# KiCad board PC110.kicad_pcb (continued)
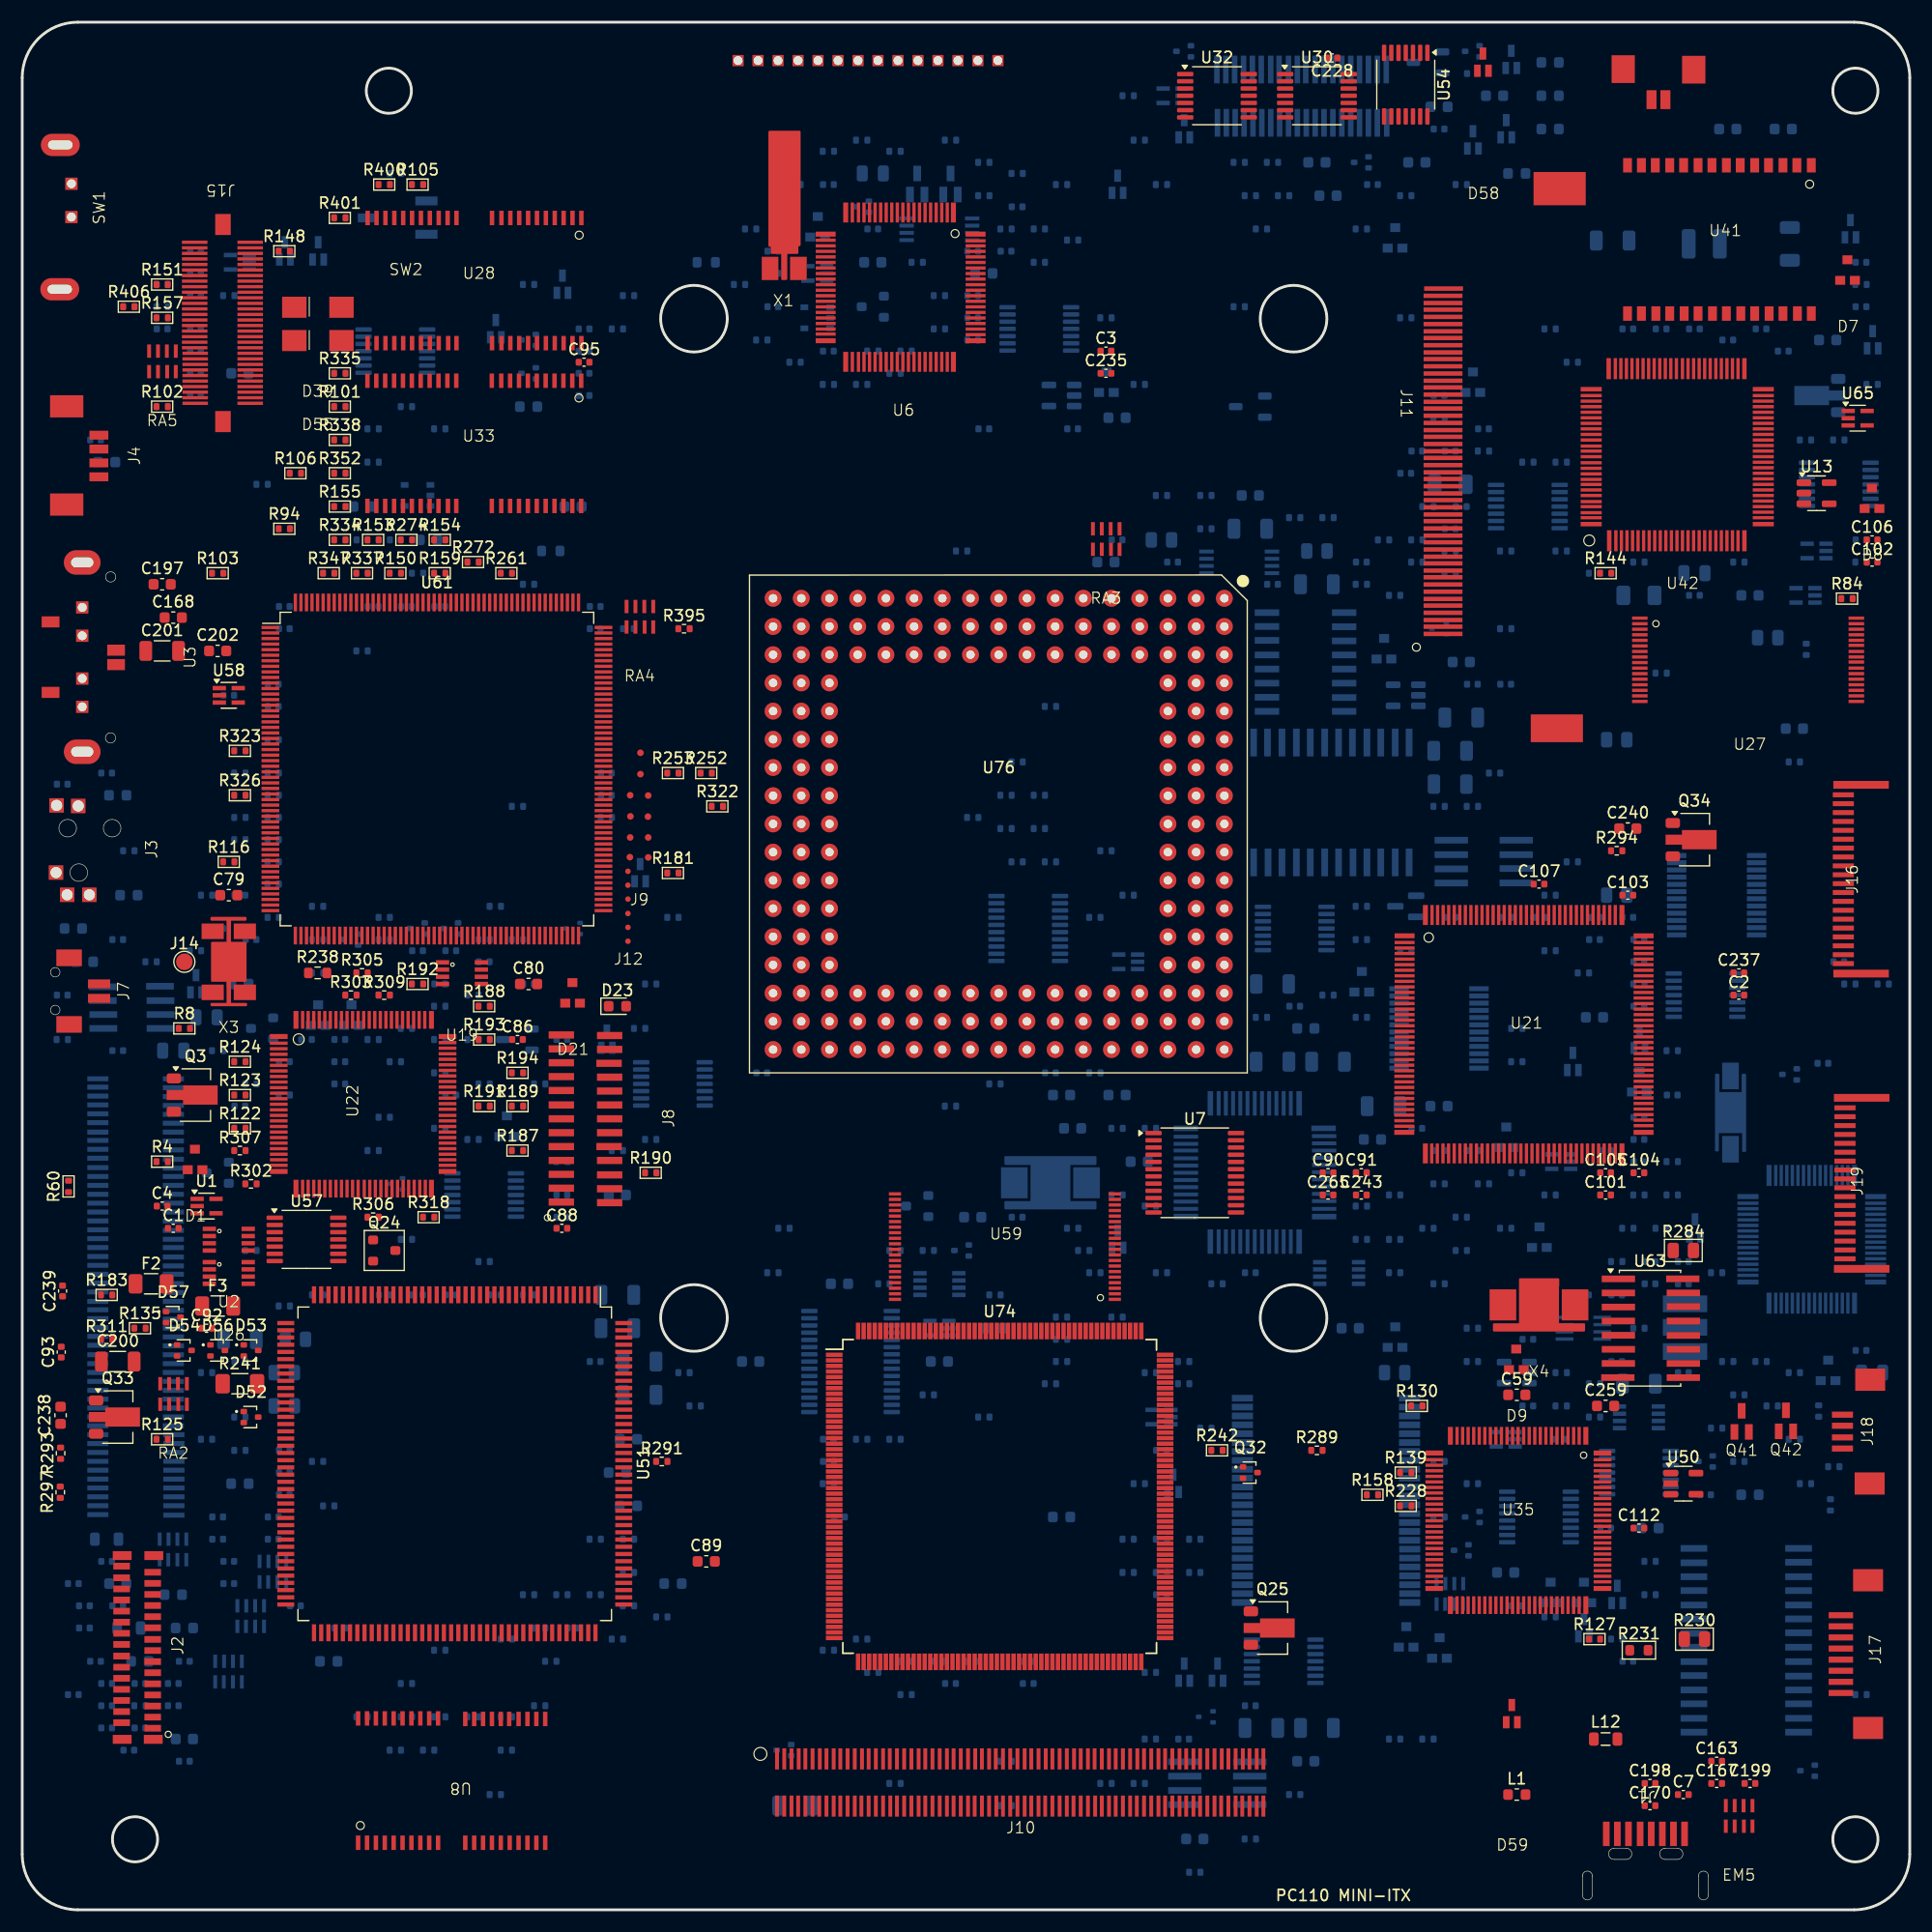
[diagram p0: board, top side]
## Footprints (pads in the part's own frame, mm; a bottom-side part is the same pattern mirrored in y, then rotated) (continued)
Pluto
  rect 0.45x1.6 smd: 1(6.1,7.15) 25(-6.1,7.15) 51(-6.1,-8.1) 75(6.1,-8.1)
  rect 0.3x1.6 smd: 2(5.5,7.15) 3(5,7.15) 4(4.5,7.15) 5(4,7.15) 6(3.5,7.15) 7(3,7.15) 8(2.5,7.15) 9(2,7.15) 10(1.5,7.15) 11(1,7.15) 12(0.5,7.15) 13(0,7.15) 14(-0.5,7.15) 15(-1,7.15) 16(-1.5,7.15) 17(-2,7.15) 18(-2.5,7.15) 19(-3,7.15) 20(-3.5,7.15) 21(-4,7.15) 22(-4.5,7.15) 23(-5,7.15) 24(-5.5,7.15) 52(-5.5,-8.1) 53(-5,-8.1) 54(-4.5,-8.1) 55(-4,-8.1) 56(-3.5,-8.1) 57(-3,-8.1) 58(-2.5,-8.1) 59(-2,-8.1) 60(-1.5,-8.1) 61(-1,-8.1) 62(-0.5,-8.1) 63(0,-8.1) 64(0.5,-8.1) 65(1,-8.1) 66(1.5,-8.1) 67(2,-8.1) 68(2.5,-8.1) 69(3,-8.1) 70(3.5,-8.1) 71(4,-8.1) 72(4.5,-8.1) 73(5,-8.1) 74(5.5,-8.1)
  rect 1.6x0.45 smd: 26(-7.55,5.6) 50(-7.55,-6.6) 76(7.6,-6.6) 100(7.6,5.6)
  rect 1.6x0.3 smd: 27(-7.55,5) 28(-7.55,4.5) 29(-7.55,4) 30(-7.55,3.5) 31(-7.55,3) 32(-7.55,2.5) 33(-7.55,2) 34(-7.55,1.5) 35(-7.55,1) 36(-7.55,0.5) 37(-7.55,0) 38(-7.55,-0.5) 39(-7.55,-1) 40(-7.55,-1.5) 41(-7.55,-2) 42(-7.55,-2.5) 43(-7.55,-3) 44(-7.55,-3.5) 45(-7.55,-4) 46(-7.55,-4.5) 47(-7.55,-5) 48(-7.55,-5.5) 49(-7.55,-6) 77(7.6,-6) 78(7.6,-5.5) 79(7.6,-5) 80(7.6,-4.5) 81(7.6,-4) 82(7.6,-3.5) 83(7.6,-3) 84(7.6,-2.5) 85(7.6,-2) 86(7.6,-1.5) 87(7.6,-1) 88(7.6,-0.5) 89(7.6,0) 90(7.6,0.5) 91(7.6,1) 92(7.6,1.5) 93(7.6,2) 94(7.6,2.5) 95(7.6,3) 96(7.6,3.5) 97(7.6,4) 98(7.6,4.5) 99(7.6,5)
PS2
  rect 0.6x2.2 smd: 1(3.6,-2.1) 2(2.6,-2.1) 3(1.6,-2.1) 4(0.55,-2.1) 5(-0.45,-2.1) 6(-1.45,-2.1) 7(-2.45,-2.1) 8(-3.45,-2.1)
PSU_Connector
  rect 0.5x2.5 smd: 1(7.45,2.4) 2(6.65,2.4) 3(5.85,2.4) 4(5.05,2.4) 5(4.25,2.4) 6(3.45,2.4) 7(2.6,2.4) 8(1.85,2.4) 9(1,2.4) 10(0.2,2.4) 11(-0.55,2.4) 12(-1.4,2.4) 13(-2.2,2.4) 14(-3,2.4) 15(-3.8,2.4) 16(-4.6,2.4) 17(-5.4,2.4) 18(-6.2,2.4) 19(-7,2.4) 20(-7.8,2.4) 21(7.4,-2.4) 22(6.6,-2.4) 23(5.8,-2.4) 24(5,-2.4) 25(4.2,-2.4) 26(3.4,-2.4) 27(2.6,-2.4) 28(1.8,-2.4) 29(1,-2.4) 30(0.2,-2.4) 31(-0.6,-2.4) 32(-1.4,-2.4) 33(-2.2,-2.4) 34(-3,-2.4) 35(-3.8,-2.4) 36(-4.6,-2.4) 37(-5.4,-2.4) 38(-6.2,-2.4) 39(-7,-2.4) 40(-7.85,-2.4)
QFN64
  rect 1.9x0.45 smd: 1(-6,3.6) 16(-6,-4.1) 33(5.5,-4.1) 48(5.5,3.6)
  rect 1.9x0.3 smd: 2(-6,3) 3(-6,2.5) 4(-6,2) 5(-6,1.5) 6(-6,1) 7(-6,0.5) 8(-6,0) 9(-6,-0.5) 10(-6,-1) 11(-6,-1.5) 12(-6,-2) 13(-6,-2.5) 14(-6,-3) 15(-6,-3.5) 34(5.5,-3.5) 35(5.5,-3) 36(5.5,-2.5) 37(5.5,-2) 38(5.5,-1.5) 39(5.5,-1) 40(5.5,-0.5) 41(5.5,0) 42(5.5,0.5) 43(5.5,1) 44(5.5,1.5) 45(5.5,2) 46(5.5,2.5) 47(5.5,3)
  rect 0.45x1.9 smd: 17(-4.1,-6) 32(3.6,-6) 49(3.6,5.5) 64(-4.1,5.5)
  rect 0.3x1.9 smd: 18(-3.5,-6) 19(-3,-6) 20(-2.5,-6) 21(-2,-6) 22(-1.5,-6) 23(-1,-6) 24(-0.5,-6) 25(0,-6) 26(0.5,-6) 27(1,-6) 28(1.5,-6) 29(2,-6) 30(2.5,-6) 31(3,-6) 50(3,5.5) 51(2.5,5.5) 52(2,5.5) 53(1.5,5.5) 54(1,5.5) 55(0.5,5.5) 56(0,5.5) 57(-0.5,5.5) 58(-1,5.5) 59(-1.5,5.5) 60(-2,5.5) 61(-2.5,5.5) 62(-3,5.5) 63(-3.5,5.5)
QFN-52
  rect 0.5x2.2 smd: 1(3.6,6.25) 13(-4.4,6.25) 27(-4.4,-6.2) 39(3.6,-6.2)
  rect 0.35x2.2 smd: 2(2.85,6.25) 3(2.2,6.25) 4(1.55,6.25) 5(0.9,6.25) 6(0.25,6.25) 7(-0.4,6.25) 8(-1.05,6.25) 9(-1.7,6.25) 10(-2.35,6.25) 11(-3,6.25) 12(-3.65,6.25) 28(-3.65,-6.2) 29(-3,-6.2) 30(-2.35,-6.2) 31(-1.7,-6.2) 32(-1.05,-6.2) 33(-0.4,-6.2) 34(0.25,-6.2) 35(0.9,-6.2) 36(1.55,-6.2) 37(2.2,-6.2) 38(2.85,-6.2)
  rect 2.2x0.5 smd: 14(-6.6,4) 26(-6.65,-3.95) 40(5.8,-3.95) 52(5.8,4)
  rect 2.2x0.35 smd: 15(-6.65,3.3) 16(-6.65,2.65) 17(-6.65,2) 18(-6.65,1.35) 19(-6.65,0.7) 20(-6.65,0.05) 21(-6.65,-0.6) 22(-6.65,-1.25) 23(-6.65,-1.9) 24(-6.65,-2.55) 25(-6.65,-3.25) 41(5.8,-3.25) 42(5.8,-2.6) 43(5.8,-1.95) 44(5.8,-1.3) 45(5.8,-0.65) 46(5.8,0) 47(5.8,0.65) 48(5.8,1.3) 49(5.8,2) 50(5.8,2.6) 51(5.8,3.25)
QFN-80
  rect 0.45x1.8 smd: 1(4.55,6.75) 20(-5.15,6.75) 41(-5.15,-6.7) 60(4.55,-6.7)
  rect 0.3x1.8 smd: 2(4,6.75) 3(3.5,6.75) 4(3,6.75) 5(2.5,6.75) 6(2,6.75) 7(1.5,6.75) 8(1,6.75) 9(0.5,6.75) 10(0,6.75) 11(-0.5,6.75) 12(-1,6.75) 13(-1.5,6.75) 14(-2,6.75) 15(-2.5,6.75) 16(-3,6.75) 17(-3.5,6.75) 18(-4,6.75) 19(-4.55,6.75) 42(-4.55,-6.7) 43(-4,-6.7) 44(-3.5,-6.7) 45(-3,-6.7) 46(-2.5,-6.7) 47(-2,-6.7) 48(-1.5,-6.7) 49(-1,-6.7) 50(-0.5,-6.7) 51(0,-6.7) 52(0.5,-6.7) 53(1,-6.7) 54(1.5,-6.7) 55(2,-6.7) 56(2.5,-6.7) 57(3,-6.7) 58(3.5,-6.7) 59(4,-6.7)
  rect 1.8x0.45 smd: 21(-6.95,4.8) 40(-6.95,-4.8) 61(6.55,-4.8) 80(6.55,4.8)
  rect 1.8x0.3 smd: 22(-6.95,4.25) 23(-6.95,3.75) 24(-6.95,3.25) 25(-6.95,2.75) 26(-6.95,2.25) 27(-6.95,1.75) 28(-6.95,1.25) 29(-6.95,0.75) 30(-6.95,0.25) 31(-6.95,-0.25) 32(-6.95,-0.75) 33(-6.95,-1.25) 34(-6.95,-1.75) 35(-6.95,-2.25) 36(-6.95,-2.75) 37(-6.95,-3.25) 38(-6.95,-3.75) 39(-6.95,-4.2) 62(6.55,-4.25) 63(6.55,-3.75) 64(6.55,-3.25) 65(6.55,-2.75) 66(6.55,-2.25) 67(6.55,-1.75) 68(6.55,-1.25) 69(6.55,-0.75) 70(6.55,-0.25) 71(6.55,0.25) 72(6.55,0.75) 73(6.55,1.25) 74(6.55,1.75) 75(6.55,2.25) 76(6.55,2.75) 77(6.55,3.25) 78(6.55,3.75) 79(6.55,4.2)
QFN-100
  rect 0.4x1.9 smd: 1(-6.6,-7.575) 25(5.575,-7.575) 51(5.575,7.925) 75(-6.65,7.925)
  rect 0.3x1.9 smd: 2(-6,-7.575) 3(-5.5,-7.575) 4(-5,-7.575) 5(-4.5,-7.575) 6(-4,-7.575) 7(-3.5,-7.575) 8(-3,-7.575) 9(-2.5,-7.575) 10(-2,-7.575) 11(-1.5,-7.575) 12(-1,-7.575) 13(-0.5,-7.575) 14(0,-7.575) 15(0.5,-7.575) 16(1,-7.575) 17(1.5,-7.575) 18(2,-7.575) 19(2.5,-7.575) 20(3,-7.575) 21(3.5,-7.575) 22(4,-7.575) 23(4.5,-7.575) 24(5,-7.575) 52(5,7.925) 53(4.5,7.925) 54(4,7.925) 55(3.5,7.925) 56(3,7.925) 57(2.5,7.925) 58(2,7.925) 59(1.5,7.925) 60(1,7.925) 61(0.5,7.925) 62(0,7.925) 63(-0.55,7.925) 64(-1.05,7.925) 65(-1.55,7.925) 66(-2.05,7.925) 67(-2.55,7.925) 68(-3.05,7.925) 69(-3.55,7.925) 70(-4.05,7.925) 71(-4.55,7.925) 72(-5.05,7.925) 73(-5.55,7.925) 74(-6.05,7.925)
  rect 1.9x0.4 smd: 26(7.275,-6.075) 50(7.275,6.075) 76(-8.225,6.075) 100(-8.225,-6.075)
  rect 1.9x0.3 smd: 27(7.275,-5.5) 28(7.275,-5) 29(7.275,-4.5) 30(7.275,-4) 31(7.275,-3.5) 32(7.275,-3) 33(7.275,-2.5) 34(7.275,-2) 35(7.275,-1.5) 36(7.275,-1) 37(7.275,-0.5) 38(7.275,0) 39(7.275,0.5) 40(7.275,1) 41(7.275,1.5) 42(7.275,2) 43(7.275,2.5) 44(7.275,3) 45(7.275,3.5) 46(7.275,4) 47(7.275,4.5) 48(7.275,5) 49(7.275,5.5) 77(-8.225,5.5) 78(-8.225,5) 79(-8.225,4.5) 80(-8.225,4) 81(-8.225,3.5) 82(-8.225,3) 83(-8.225,2.5) 84(-8.225,2) 85(-8.225,1.5) 86(-8.225,0.95) 87(-8.225,0.5) 88(-8.225,0) 89(-8.225,-0.55) 90(-8.225,-1.05) 91(-8.225,-1.55) 92(-8.225,-2.05) 93(-8.225,-2.5) 94(-8.225,-3) 95(-8.225,-3.5) 96(-8.225,-4.05) 97(-8.225,-4.5) 98(-8.225,-5.05) 99(-8.225,-5.5)
QFP208
  rect 1.6x0.3 smd: 1(-15,12.75) 2(-15,12.25) 3(-15,11.75) 4(-15,11.25) 5(-15,10.75) 6(-15,10.25) 7(-15,9.75) 8(-15,9.25) 9(-15,8.75) 10(-15,8.25) 11(-15,7.75) 12(-15,7.25) 13(-15,6.75) 14(-15,6.25) 15(-15,5.75) 16(-15,5.25) 17(-15,4.75) 18(-15,4.25) 19(-15,3.75) 20(-15,3.25) 21(-15,2.75) 22(-15,2.25) 23(-15,1.75) 24(-15,1.25) 25(-15,0.75) 26(-15,0.25) 27(-15,-0.25) 28(-15,-0.75) 29(-15,-1.25) 30(-15,-1.75) 31(-15,-2.25) 32(-15,-2.75) 33(-15,-3.25) 34(-15,-3.75) 35(-15,-4.25) 36(-15,-4.75) 37(-15,-5.25) 38(-15,-5.75) 39(-15,-6.25) 40(-15,-6.75) 41(-15,-7.25) 42(-15,-7.75) 43(-15,-8.25) 44(-15,-8.75) 45(-15,-9.25) 46(-15,-9.75) 47(-15,-10.25) 48(-15,-10.75) 49(-15,-11.25) 50(-15,-11.75) 51(-15,-12.25) 52(-15,-12.75) 105(15,-12.75) 106(15,-12.25) 107(15,-11.75) 108(15,-11.25) 109(15,-10.75) 110(15,-10.25) 111(15,-9.75) 112(15,-9.25) 113(15,-8.75) 114(15,-8.25) 115(15,-7.75) 116(15,-7.25) 117(15,-6.75) 118(15,-6.25) 119(15,-5.75) 120(15,-5.25) 121(15,-4.75) 122(15,-4.25) 123(15,-3.75) 124(15,-3.25) 125(15,-2.75) 126(15,-2.25) 127(15,-1.75) 128(15,-1.25) 129(15,-0.75) 130(15,-0.25) 131(15,0.25) 132(15,0.75) 133(15,1.25) 134(15,1.75) 135(15,2.25) 136(15,2.75) 137(15,3.25) 138(15,3.75) 139(15,4.25) 140(15,4.75) 141(15,5.25) 142(15,5.75) 143(15,6.25) 144(15,6.75) 145(15,7.25) 146(15,7.75) 147(15,8.25) 148(15,8.75) 149(15,9.25) 150(15,9.75) 151(15,10.25) 152(15,10.75) 153(15,11.25) 154(15,11.75) 155(15,12.25) 156(15,12.75)
  rect 0.3x1.6 smd: 53(-12.75,-15) 54(-12.25,-15) 55(-11.75,-15) 56(-11.25,-15) 57(-10.75,-15) 58(-10.25,-15) 59(-9.75,-15) 60(-9.25,-15) 61(-8.75,-15) 62(-8.25,-15) 63(-7.75,-15) 64(-7.25,-15) 65(-6.75,-15) 66(-6.25,-15) 67(-5.75,-15) 68(-5.25,-15) 69(-4.75,-15) 70(-4.25,-15) 71(-3.75,-15) 72(-3.25,-15) 73(-2.75,-15) 74(-2.25,-15) 75(-1.75,-15) 76(-1.25,-15) 77(-0.75,-15) 78(-0.25,-15) 79(0.25,-15) 80(0.75,-15) 81(1.25,-15) 82(1.75,-15) 83(2.25,-15) 84(2.75,-15) 85(3.25,-15) 86(3.75,-15) 87(4.25,-15) 88(4.75,-15) 89(5.25,-15) 90(5.75,-15) 91(6.25,-15) 92(6.75,-15) 93(7.25,-15) 94(7.75,-15) 95(8.25,-15) 96(8.75,-15) 97(9.25,-15) 98(9.75,-15) 99(10.25,-15) 100(10.75,-15) 101(11.25,-15) 102(11.75,-15) 103(12.25,-15) 104(12.75,-15) 157(12.75,15) 158(12.25,15) 159(11.75,15) 160(11.25,15) 161(10.75,15) 162(10.25,15) 163(9.75,15) 164(9.25,15) 165(8.75,15) 166(8.25,15) 167(7.75,15) 168(7.25,15) 169(6.75,15) 170(6.25,15) 171(5.75,15) 172(5.25,15) 173(4.75,15) 174(4.25,15) 175(3.75,15) 176(3.25,15) 177(2.75,15) 178(2.25,15) 179(1.75,15) 180(1.25,15) 181(0.75,15) 182(0.25,15) 183(-0.25,15) 184(-0.75,15) 185(-1.25,15) 186(-1.75,15) 187(-2.25,15) 188(-2.75,15) 189(-3.25,15) 190(-3.75,15) 191(-4.25,15) 192(-4.75,15) 193(-5.25,15) 194(-5.75,15) 195(-6.25,15) 196(-6.75,15) 197(-7.25,15) 198(-7.75,15) 199(-8.25,15) 200(-8.75,15) 201(-9.25,15) 202(-9.75,15) 203(-10.25,15) 204(-10.75,15) 205(-11.25,15) 206(-11.75,15) 207(-12.25,15) 208(-12.75,15)
R-array
  rect 0.35x1.2 smd: 1(1.225,1) 2(0.425,1) 3(-0.375,1) 4(-1.175,1) 5(-1.175,-0.85) 6(-0.375,-0.85) 7(0.45,-0.85) 8(1.225,-0.85)
R_0402_1005Metric
  rrect 0.54x0.64 smd: 1(-0.51,0) 2(0.51,0)
R_0603_1608Metric
  rrect 0.8x0.95 smd: 1(-0.825,0) 2(0.825,0)
R_0805_2012Metric
  rrect 1.025x1.4 smd: 1(-0.912,0) 2(0.912,0)
R_1206_3216Metric
  rrect 1.125x1.75 smd: 1(-1.462,0) 2(1.462,0)
R_1206_3216Metric_Pad1.30x1.75mm_HandSolder
  rrect 1.3x1.75 smd: 1(-1.55,0) 2(1.55,0)
RAM Module
  rect 2.3x0.3 smd: 1(2.5,7.4) 2(2.5,6.9) 3(2.5,6.4) 4(2.5,5.9) 5(2.5,5.4) 6(2.5,4.9) 7(2.5,4.4) 8(2.5,3.9) 9(2.5,3.4) 10(2.5,2.9) 11(2.55,2.4) 12(2.55,1.9) 13(2.55,1.4) 14(2.55,0.9) 15(2.55,0.4) 16(2.55,-0.1) 17(2.55,-0.6) 18(2.55,-1.1) 19(2.55,-1.6) 20(2.55,-2.1) 21(2.55,-2.6) 22(2.55,-3.1) 23(2.55,-3.6) 24(2.55,-4.1) 25(2.55,-4.6) 26(2.55,-5.1) 27(2.55,-5.6) 28(2.55,-6.1) 29(2.55,-6.6) 30(2.55,-7.1) 31(-2.45,-7.1) 32(-2.45,-6.6) 33(-2.45,-6.1) 34(-2.45,-5.6) 35(-2.45,-5.1) 36(-2.45,-4.6) 37(-2.45,-4.1) 38(-2.45,-3.6) 39(-2.45,-3.1) 40(-2.45,-2.6) 41(-2.45,-2.1) 42(-2.45,-1.6) 43(-2.45,-1.1) 44(-2.45,-0.6) 45(-2.45,-0.1) 46(-2.45,0.4) 47(-2.45,0.9) 48(-2.45,1.4) 49(-2.45,1.9) 50(-2.45,2.4) 51(-2.45,2.9) 52(-2.45,3.4) 53(-2.45,3.9) 54(-2.45,4.4) 55(-2.45,4.9) 56(-2.45,5.4) 57(-2.45,5.9) 58(-2.45,6.4) 59(-2.45,6.9) 60(-2.45,7.4)
  rect 1.4x1.9 smd: 61(0,9.05) 62(0,-8.7)
RAMchip
  rect 0.4x1.3 smd: 1(9.225,5.475) 2(8.425,5.475) 3(7.625,5.475) 4(6.825,5.475) 5(6.025,5.475) 6(5.225,5.475) 7(4.425,5.475) 8(3.625,5.475) 9(2.825,5.475) 10(2.025,5.475) 11(1.175,5.475) 12(-2.025,5.475) 13(-2.825,5.475) 14(-3.625,5.475) 15(-4.425,5.475) 16(-5.225,5.475) 17(-6.025,5.475) 18(-6.825,5.475) 19(-7.625,5.475) 20(-8.425,5.475) 21(-9.225,5.475) 22(-10.025,5.475) 23(-10.025,-5.8) 24(-9.225,-5.8) 25(-8.425,-5.8) 26(-7.625,-5.8) 27(-6.825,-5.8) 28(-6.025,-5.8) 29(-5.225,-5.8) 30(-4.425,-5.8) 31(-3.625,-5.8) 32(-2.775,-5.8) 33(-2.025,-5.8) 34(1.175,-5.8) 35(2.025,-5.8) 36(2.825,-5.8) 37(3.625,-5.8) 38(4.425,-5.8) 39(5.225,-5.8) 40(6.025,-5.8) 41(6.825,-5.8) 42(7.625,-5.8) 43(8.425,-5.8) 44(9.225,-5.8)
SanDisk
  rect 0.8x1.3 smd: 1(7.65,6.375) 2(6.35,6.375) 3(5.1,6.375) 4(3.8,6.375) 5(2.55,6.375) 6(1.25,6.375) 7(0,6.375) 8(-1.3,6.375) 9(-2.55,6.375) 10(-3.85,6.375) 11(-5.1,6.375) 12(-6.4,6.375) 13(-7.65,6.375) 14(-8.9,6.375) 15(-8.9,-6.975) 16(-7.65,-6.975) 17(-6.35,-6.975) 18(-5.1,-6.975) 19(-3.8,-6.975) 20(-2.55,-6.975) 21(-1.25,-6.975) 22(0,-6.975) 23(1.3,-6.975) 24(2.55,-6.975) 25(3.85,-6.975) 26(5.1,-6.975) 27(6.4,-6.975) 28(7.65,-6.975)
SOIC-8
  rect 3x0.6 smd: 1(-2.95,1.95) 2(-2.95,0.65) 3(-2.95,-0.6) 4(-2.95,-1.9) 5(2.9,-1.905) 6(2.9,-0.635) 7(2.9,0.65) 8(2.9,1.95)
SOIC-8-narrow
  rect 2.5x0.6 smd: 1(-2.8,1.8) 2(-2.85,0.5) 3(-2.85,-0.75) 4(-2.85,-2) 5(2.3,-2) 6(2.3,-0.75) 7(2.35,0.5) 8(2.35,1.75)
soic-8-small
  rect 1.3x0.35 smd: 1(-2.95,0.95) 2(-2.95,0.3) 3(-2.95,-0.35) 4(-2.95,-1) 5(2.95,-1) 6(2.95,-0.35) 7(2.95,0.3) 8(2.95,0.95)
SOIC-16W
  rect 3x0.6 smd: 1(-2.85,4.445) 2(-2.85,3.175) 3(-2.85,1.905) 4(-2.85,0.65) 5(-2.85,-0.635) 6(-2.85,-1.9) 7(-2.85,-3.175) 8(-2.9,-4.445) 9(3,-4.45) 10(3,-3.175) 11(3,-1.9) 12(3,-0.65) 13(3,0.65) 14(3,1.95) 15(3,3.175) 16(2.95,4.45)
SOP48
  rect 1.9x0.6 smd: 1(7.3,-9.55) 2(7.3,-8.75) 3(7.3,-7.95) 4(7.3,-7.15) 5(7.3,-6.35) 6(7.3,-5.55) 7(7.3,-4.75) 8(7.3,-3.95) 9(7.3,-3.15) 10(7.3,-2.35) 11(7.3,-1.55) 12(7.3,-0.75) 13(7.3,0.05) 14(7.3,0.85) 15(7.3,1.65) 16(7.3,2.45) 17(7.3,3.25) 18(7.3,4.05) 19(7.3,4.85) 20(7.3,5.65) 21(7.3,6.45) 22(7.3,7.25) 23(7.3,8.05) 24(7.3,8.85) 25(-7.75,8.85) 26(-7.75,8.05) 27(-7.75,7.25) 28(-7.75,6.45) 29(-7.75,5.65) 30(-7.75,4.85) 31(-7.75,4.05) 32(-7.75,3.25) 33(-7.75,2.45) 34(-7.75,1.65) 35(-7.75,0.85) 36(-7.75,0.05) 37(-7.75,-0.75) 38(-7.75,-1.55) 39(-7.75,-2.35) 40(-7.75,-3.15) 41(-7.75,-3.95) 42(-7.775,-4.75) 43(-7.775,-5.55) 44(-7.775,-6.35) 45(-7.775,-7.15) 46(-7.775,-7.95) 47(-7.775,-8.75) 48(-7.775,-9.55)
SOP-16
  rect 2.2x0.6 smd: 1(-3.45,4.45) 2(-3.45,3.175) 3(-3.45,1.9) 4(-3.45,0.635) 5(-3.45,-0.635) 6(-3.45,-1.905) 7(-3.45,-3.2) 8(-3.45,-4.445) 9(3.5,-4.445) 10(3.5,-3.175) 11(3.5,-1.905) 12(3.5,-0.635) 13(3.5,0.635) 14(3.5,1.95) 15(3.5,3.2) 16(3.5,4.45)
SOP-24
  rect 0.6x2.5 smd: 1(6.7,4.75) 2(5.45,4.75) 3(4.15,4.75) 4(2.85,4.75) 5(1.6,4.75) 6(0.3,4.75) 7(-0.95,4.75) 8(-2.2,4.75) 9(-3.5,4.75) 10(-4.75,4.75) 11(-6.05,4.75) 12(-7.3,4.75) 13(-7.3,-6.05) 14(-6.05,-6.05) 15(-4.75,-6.05) 16(-3.5,-6.05) 17(-2.25,-6.05) 18(-0.95,-6.05) 19(0.3,-6.05) 20(1.6,-6.05) 21(2.85,-6.05) 22(4.15,-6.05) 23(5.4,-6.05) 24(6.7,-6.05)
SOT-23
  rrect 0.9x0.8 smd: 1(-1,0.95) 2(-1,-0.95) 3(1,0)
SOT-23#2
  rrect 1.475x0.6 smd: 1(-0.938,0.95) 2(-0.938,-0.95) 3(0.938,0)
SOT-23-5
  rrect 1.325x0.6 smd: 1(-1.137,0.95) 2(-1.137,0) 3(-1.137,-0.95) 4(1.137,-0.95) 5(1.137,0.95)
SOT-89-3
  rrect 1.3x0.9 smd: 1(-1.95,1.5) 3(-1.95,-1.5)
  custom 4.6x1.733 smd: 2(-1.863,0)
SOT-353
  rect 1.2x0.4 smd: 1(-0.85,0.65) 2(-0.85,0) 3(-0.85,-0.65) 4(0.85,-0.65) 5(0.85,0.65)
SOT-416
  rrect 0.6x0.5 smd: 1(-0.65,0.5) 2(-0.65,-0.5) 3(0.65,0)
SOT-416L
  rect 0.6x1.1 smd: 1(0.45,-0.75) 2(-0.55,-0.75) 3(-0.05,0.8)
SOT-523
  rrect 0.51x0.4 smd: 1(-0.645,0.5) 2(-0.645,-0.5) 3(0.645,0)
SPKR
  rect 0.8x2 smd: 1(0.65,-2.2) 2(-0.65,-2.2)
  rect 1.5x2.3 smd: 3(3,0.5) 4(-3,0.5)
sso-8
  rect 1.2x0.4 smd: 1(-1.75,0.95) 2(-1.75,0.3) 3(-1.75,-0.35) 4(-1.75,-1) 5(1.75,-1) 6(1.75,-0.35) 7(1.75,0.3) 8(1.75,0.95)
SSOP-8_2.95x2.8mm_P0.65mm
  rect 1.6x0.3 smd: 1(-1.7,0.975) 2(-1.7,0.325) 3(-1.7,-0.325) 4(-1.7,-0.975) 5(1.7,-0.975) 6(1.7,-0.325) 7(1.7,0.325) 8(1.7,0.975)
SSOP-24_5.3x8.2mm_P0.65mm
  rect 1.75x0.45 smd: 1(-3.6,3.575) 2(-3.6,2.925) 3(-3.6,2.275) 4(-3.6,1.625) 5(-3.6,0.975) 6(-3.6,0.325) 7(-3.6,-0.325) 8(-3.6,-0.975) 9(-3.6,-1.625) 10(-3.6,-2.275) 11(-3.6,-2.925) 12(-3.6,-3.575) 13(3.6,-3.575) 14(3.6,-2.925) 15(3.6,-2.275) 16(3.6,-1.625) 17(3.6,-0.975) 18(3.6,-0.325) 19(3.6,0.325) 20(3.6,0.975) 21(3.6,1.625) 22(3.6,2.275) 23(3.6,2.925) 24(3.6,3.575)
SSOP-28
  rect 0.6x2.4 smd: 1(7.85,5.25) 2(6.6,5.25) 3(5.3,5.25) 4(4.05,5.25) 5(2.75,5.25) 6(1.5,5.25) 7(0.2,5.25) 8(-1.05,5.25) 9(-2.35,5.25) 10(-3.6,5.25) 11(-4.9,5.25) 12(-6.15,5.25) 13(-7.4,5.25) 14(-8.7,5.25) 15(-8.7,-4.175) 16(-7.45,-4.175) 17(-6.15,-4.175) 18(-4.9,-4.175) 19(-3.6,-4.175) 20(-2.35,-4.175) 21(-1.1,-4.175) 22(0.2,-4.175) 23(1.5,-4.175) 24(2.8,-4.175) 25(4.05,-4.175) 26(5.3,-4.175) 27(6.6,-4.175) 28(7.85,-4.175)
Switch
  rect 1.1x1.1 hole 0.8: 1(0.95,3.25) 2(0.95,0.25)
  oval 3.5x2 hole 2.2x0.8: 3(-0.1,-6.25) 3(-0.05,6.75)
TestPoint_Pad_D1.5mm
  round 1.5 smd: 1(0,0)
TSOP-5_1.65x3.05mm_P0.95mm
  rect 0.7x0.51 smd: 1(-1.16,0.95) 2(-1.16,0) 3(-1.16,-0.95) 4(1.16,-0.95) 5(1.16,0.95)
TSOT-23
  rect 0.7x1.4 smd: 1(0.65,-0.9) 2(0,1) 3(-0.65,-0.9)
TSOT-23#2
  rrect 1.22x0.65 smd: 1(-1.31,0.95) 2(-1.31,-0.95) 3(1.31,0)
TSSOP-14_4.4x5mm_P0.65mm
  rrect 1.475x0.4 smd: 1(-2.862,1.95) 2(-2.862,1.3) 3(-2.862,0.65) 4(-2.862,0) 5(-2.862,-0.65) 6(-2.862,-1.3) 7(-2.862,-1.95) 8(2.862,-1.95) 9(2.862,-1.3) 10(2.862,-0.65) 11(2.862,0) 12(2.862,0.65) 13(2.862,1.3) 14(2.862,1.95)
TSSOP-16_4.4x5mm_P0.65mm
  rrect 1.475x0.4 smd: 1(-2.862,2.275) 2(-2.862,1.625) 3(-2.862,0.975) 4(-2.862,0.325) 5(-2.862,-0.325) 6(-2.862,-0.975) 7(-2.862,-1.625) 8(-2.862,-2.275) 9(2.862,-2.275) 10(2.862,-1.625) 11(2.862,-0.975) 12(2.862,-0.325) 13(2.862,0.325) 14(2.862,0.975) 15(2.862,1.625) 16(2.862,2.275)
TSSOP-20_4.4x6.5mm_P0.65mm
  rrect 1.475x0.4 smd: 1(-2.862,2.925) 2(-2.862,2.275) 3(-2.862,1.625) 4(-2.862,0.975) 5(-2.862,0.325) 6(-2.862,-0.325) 7(-2.862,-0.975) 8(-2.862,-1.625) 9(-2.862,-2.275) 10(-2.862,-2.925) 11(2.862,-2.925) 12(2.862,-2.275) 13(2.862,-1.625) 14(2.862,-0.975) 15(2.862,-0.325) 16(2.862,0.325) 17(2.862,0.975) 18(2.862,1.625) 19(2.862,2.275) 20(2.862,2.925)
TSSOP-24_6.1x7.8mm_P0.65mm
  rrect 1.475x0.4 smd: 1(-3.712,3.575) 2(-3.712,2.925) 3(-3.712,2.275) 4(-3.712,1.625) 5(-3.712,0.975) 6(-3.712,0.325) 7(-3.712,-0.325) 8(-3.712,-0.975) 9(-3.712,-1.625) 10(-3.712,-2.275) 11(-3.712,-2.925) 12(-3.712,-3.575) 13(3.712,-3.575) 14(3.712,-2.925) 15(3.712,-2.275) 16(3.712,-1.625) 17(3.712,-0.975) 18(3.712,-0.325) 19(3.712,0.325) 20(3.712,0.975) 21(3.712,1.625) 22(3.712,2.275) 23(3.712,2.925) 24(3.712,3.575)
TSSOP-30_6.1x9.7mm_P0.65mm
  rrect 1.475x0.4 smd: 1(-3.712,4.55) 2(-3.712,3.9) 3(-3.712,3.25) 4(-3.712,2.6) 5(-3.712,1.95) 6(-3.712,1.3) 7(-3.712,0.65) 8(-3.712,0) 9(-3.712,-0.65) 10(-3.712,-1.3) 11(-3.712,-1.95) 12(-3.712,-2.6) 13(-3.712,-3.25) 14(-3.712,-3.9) 15(-3.712,-4.55) 16(3.712,-4.55) 17(3.712,-3.9) 18(3.712,-3.25) 19(3.712,-2.6) 20(3.712,-1.95) 21(3.712,-1.3) 22(3.712,-0.65) 23(3.712,0) 24(3.712,0.65) 25(3.712,1.3) 26(3.712,1.95) 27(3.712,2.6) 28(3.712,3.25) 29(3.712,3.9) 30(3.712,4.55)
XTAL-1
  rect 2.4x2.8 smd: 1(-3.25,0.1) 2(3.25,0.1)
  custom 8.3x4.8 smd: 3(0.05,0)
XTAL-2
  rect 1.5x2.1 smd: 1(1.3,-5.55) 2(-1.25,-5.55)
  custom 2.9x13.45 smd: 3(0.05,0)
XTAL-3
  rect 2x1.4 smd: 1(1.45,2.75) 2(1.45,-2.75) 3(-1.45,-2.75) 4(-1.45,2.75)
  custom 3.3x8.05 smd: 5(0,0)
XTAL-4
  rect 4x1.5 smd: 1(-0.15,2.2) 2(-0.15,-2.1) 3(-0.15,0.08)
XTAL-5
  rect 1.5x2.4 smd: 1(0,-3.2) 2(0,3.4)
  custom 2.8x7.05 smd: 3(0,0)
XTAL-6
  rect 2.4x2.8 smd: 1(-3.25,0.1) 2(3.25,0.1)
  custom 8.3x4.8 smd: 3(0.05,0)

## Nets
/PCMCIA/A5VDET: J10.19 U74.3
GND: C1.1 C2.2 C3.2 C4.2 C5.2 C6.1 C7.2 C8.2 C9.2 C14.2 C16.2 C17.2 C19.1 C20.1 C22.2 C24.1 C26.2 C27.2 C28.2 C30.1 C31.1 C32.2 C33.2 C34.2 C35.1 C36.1 C37.2 C38.2 C39.2 C40.2 C41.2 C42.1 C43.2 C44.1 C45.2 C47.2 C48.2 C49.1 C50.1 C51.2 C52.2 C53.1 C54.2 C55.1 C56.2 C57.1 C58.1 C59.2 C61.2 C62.1 C63.1 C64.1 C66.1 C68.2 C69.2 C70.1 C71.1 C72.2 C73.1 C74.1 C75.2 C76.2 C77.1 C78.1 C79.2 C80.2 C81.2 C82.2 C83.2 C84.2 C86.2 C87.2 C88.1 C90.1 C91.2 C92.1 C93.2 C94.2 C95.2 C96.1 C97.2 C98.2 C99.1 C100.2 C101.1 C102.1 C103.2 C104.1 C105.2 C106.1 C107.1 C108.1 C109.1 C110.1 C111.2 C112.1 C113.1 C114.1 C115.1 C116.2 C117.1 C118.2 C119.2 C120.2 C121.2 C122.2 C123.2 C124.1 C125.1 C126.2 C127.1 C128.2 C129.2 C131.2 C132.2 C133.2 C134.1 C135.2 C136.2 C139.1 C144.1 C145.1 C148.1 C149.1 C151.2 C152.2 C153.2 C155.1 C156.1 C158.1 C159.1 C160.1 C161.2 C162.2 C163.1 C164.1 C165.2 C166.2 C167.1 C168.1 C169.2 C170.2 C171.2 C172.1 C173.2 C174.2 C175.2 C176.2 C177.1 C178.2 C179.2 C180.2 C181.2 C182.2 C183.2 C184.2 C185.2 C186.2 C187.2 C188.2 C189.1 C190.2 C191.2 C192.2 C193.2 C194.2 C195.1 C196.2 C197.1 C198.2 C199.2 C200.1 C201.2 C202.1 C203.1 C204.1 C205.2 C206.1 C208.1 C210.1 C211.1 C212.2 C215.2 C216.2 C217.2 C218.2 C219.2 C220.1 C221.1 C222.1 C223.1 C224.1 C226.1 C227.1 C228.2 C229.1 C230.1 C231.1 C232.1 C233.2 C234.1 C235.2 C236.2 C237.2 C239.1 C241.1 C242.1 C243.2 C244.1 C245.1 C246.2 C247.2 C249.1 C250.1 C251.1 C252.2 C253.2 C254.1 C255.1 C256.1 C258.1 C259.1 C260.1 C261.2 C262.1 C263.1 C264.1 C265.1 C267.1 C268.1 C269.1 C271.2 C272.2 C273.2 C274.2 C275.2 C276.2 C277.1 C278.1 C279.2 C280.1 C281.1 C282.2 C283.2 D5.1 D5.3 D23.2 D36.2 D40.1 D40.2 D41.2 D47.2 D52.1 D53.1 D54.1 D56.1 D57.1 J4.2 J5.7 J5.9 J5.24 J5.29 J5.32 J6.2 J8.1 J8.13 J8.14 J8.26 J10.1 J10.2 J10.3 J10.68 J10.69 J10.70 J10.71 J10.72 J10.73 J10.138 J10.139 J10.140 J11.1 J11.15 J11.16 J11.17 J11.19 J11.21 J11.23 J11.27 J11.29 J11.31 J11.33 J11.50 J13.1 J13.50 J13.51 J13.64 J13.66 J13.68 J13.70 J13.75 J13.85 J13.100 J15.10 J15.26 J15.36 J15.55 J16.2 J19.9 L2.1 L10.2 Q2.2 Q3.1 Q4.1 Q6.1 Q7.2 Q12.2 Q14.2 Q15.2 Q18.2 Q19.2 Q21.2 Q22.1 Q23.2 Q26.2 Q27.2 Q28.2 Q32.2 Q35.2 Q38.2 Q41.1 Q42.1 Q43.2 Q44.2 R1.1 R2.1 R5.1 R6.1 R7.1 R10.1 R11.2 R13.1 R15.2 R18.2 R19.1 R22.1 R23.2 R29.2 R33.2 R49.2 R57.2 R60.1 R61.1 R63.1 R66.1 R73.1 R77.2 R80.1 R82.2 R83.2 R90.1 R91.2 R98.2 R108.2 R113.1 R126.2 R131.1 R145.1 R147.2 R150.2 R151.1 R153.1 R155.1 R160.1 R184.2 R186.2 R199.1 R202.1 R209.2 R210.2 R211.2 R213.2 R218.1 R219.1 R223.2 R224.2 R230.1 R231.1 R233.2 R247.2 R259.2 R263.2 R264.2 R265.2 R267.2 R269.2 R270.2 R271.1 R273.2 R275.2 R279.2 R280.2 R314.2 R327.2 R379.1 R383.1 R395.1 R402.2 R404.2 R405.2 R406.2 R408.1 R411.1 RA3.5 RA3.6 RA3.7 RA3.8 RA4.5 RA4.6 RA4.7 RA4.8 U1.3 U2.4 U3.2 U4.5 U4.22 U4.26 U4.33 U5.7 U6.16 U6.30 U6.73 U7.12 U7.13 U7.23 U8.21 U8.27 U8.35 U8.40 U9.3 U10.12 U12.7 U13.3 U14.3 U15.3 U16.3 U17.3 U18.7 U19.4 U19.5 U19.7 U20.4 U21.8 U21.28 U21.44 U21.64 U21.80 U21.100 U21.116 U21.136 U22.4 U22.45 U22.65 U22.93 U23.3 U24.3 U25.3 U26.4 U27.24 U28.23 U28.30 U28.39 U28.44 U29.3 U30.7 U31.3 U32.7 U33.23 U33.30 U33.39 U33.44 U34.7 U35.4 U35.13 U35.37 U35.63 U35.87 U36.15 U37.3 U38.4 U39.4 U40.7 U41.3 U41.6 U41.8 U41.12 U41.15 U41.16 U41.18 U41.19 U42.10 U42.20 U42.23 U42.24 U42.25 U42.26 U42.27 U42.28 U42.29 U42.30 U42.31 U42.32 U42.40 U42.44 U42.51 U42.61 U42.70 U42.82 U42.94 U44.4 U45.8 U45.9 U47.4 U48.4 U48.5 U49.12 U49.13 U50.3 U51.12 U51.22 U51.32 U51.42 U51.49 U51.59 U51.77 U51.83 U51.115 U51.142 U51.154 U51.160 U52.3 U53.3 U54.7 U55.3 U56.7 U56.9 U56.10 U56.12 U56.13 U57.7 U58.3 U59.23 U59.39 U60.3 U61.11 U61.26 U61.34 U61.52 U61.82 U61.104 U61.128 U61.156 U61.179 U61.190 U61.208 U62.1 U62.4 U62.7 U62.10 U62.13 U63.5 U63.8 U63.12 U63.15 U64.7 U65.2 U65.3 U66.7 U67.18 U67.24 U68.4 U68.5 U68.7 U68.9 U68.10 U68.12 U68.13 U69.4 U70.12 U71.4 U71.5 U71.7 U72.12 U72.13 U72.23 U73.1 U73.10 U73.19 U74.31 U74.70 U74.79 U74.111 U74.140 U74.192 U74.201 U75.14 U76.A7 U76.A9 U76.A11 U76.B3 U76.B4 U76.B5 U76.E1 U76.E17 U76.G1 U76.G17 U76.H1 U76.H17 U76.K1 U76.K17 U76.L1 U76.L17 U76.M1 U76.M17 U76.P17 U76.R4 U76.S6 U76.S8 U76.S9 U76.S10 U76.S11 U76.S12 X2.3 X4.3 X5.3 X6.3
VCC: C29.1 C61.1 C67.2 C88.2 C96.2 C217.1 C220.2 C231.2 D13.2 D58.2 J5.16 J8.2 J8.25 Q29.3 R44.1 R52.2 R128.1 R278.2 R285.2 R288.1 R356.2 SW1.1 U5.14 U6.71 U29.5 U30.1 U30.10 U30.12 U30.14 U32.2 U32.10 U32.12 U32.14 U54.10 U54.12 U54.14
/Audio/Enable_YMF_Bus: R147.1 U5.5 U10.3 U31.1 U34.1 U34.4 U34.10 U34.13
/Audio/PCMCIA_KB_sound: C25.2 R35.1
/Audio/YMFDAC_OUTPUT: C11.2 R26.1
/Chipset/CMOS_BATT+: C8.1 J4.3 R31.2
/Keyboard and Trackpoint/D171_GPCLK: R198.1 U67.20 U75.22 U75.23
/Keyboard and Trackpoint/D171_GPDATA: R203.1 U67.21 U75.24 U75.25
/Keyboard and Trackpoint/D171_P0A0: J19.6 U75.13
/Keyboard and Trackpoint/D171_P0A1: J19.5 U75.12
/Keyboard and Trackpoint/D171_P0A2: J19.4 U75.11
/Keyboard and Trackpoint/D171_P0A3: J19.3 U75.10
/Keyboard and Trackpoint/D171_P0B0: J19.15 U75.9
/Keyboard and Trackpoint/D171_P0B1: J19.14 U75.8
/Keyboard and Trackpoint/D171_P0B2: J19.13 U75.7
/Keyboard and Trackpoint/D171_P0B3: J19.12 U75.6
/Keyboard and Trackpoint/D171_P0C2: J19.2 R205.1 U75.3
/Keyboard and Trackpoint/D171_P0C3: J19.16 R201.1 U75.2
/Keyboard and Trackpoint/D171_P1A0: J19.18 U75.21
